# Altium PCB RTM_4SFP_3QSFP.PcbDoc (part 1 of 4)
Units mil, origin at the board's own origin, x right, y up, seen from the top; angles counter-clockwise.
Board outline 7187 x 5848.5 mil, 4 copper layers (L1, P2, P3, L4), stack 62.205 mil thick; 276 components, 257 nets, 1307 pads, 528 vias.
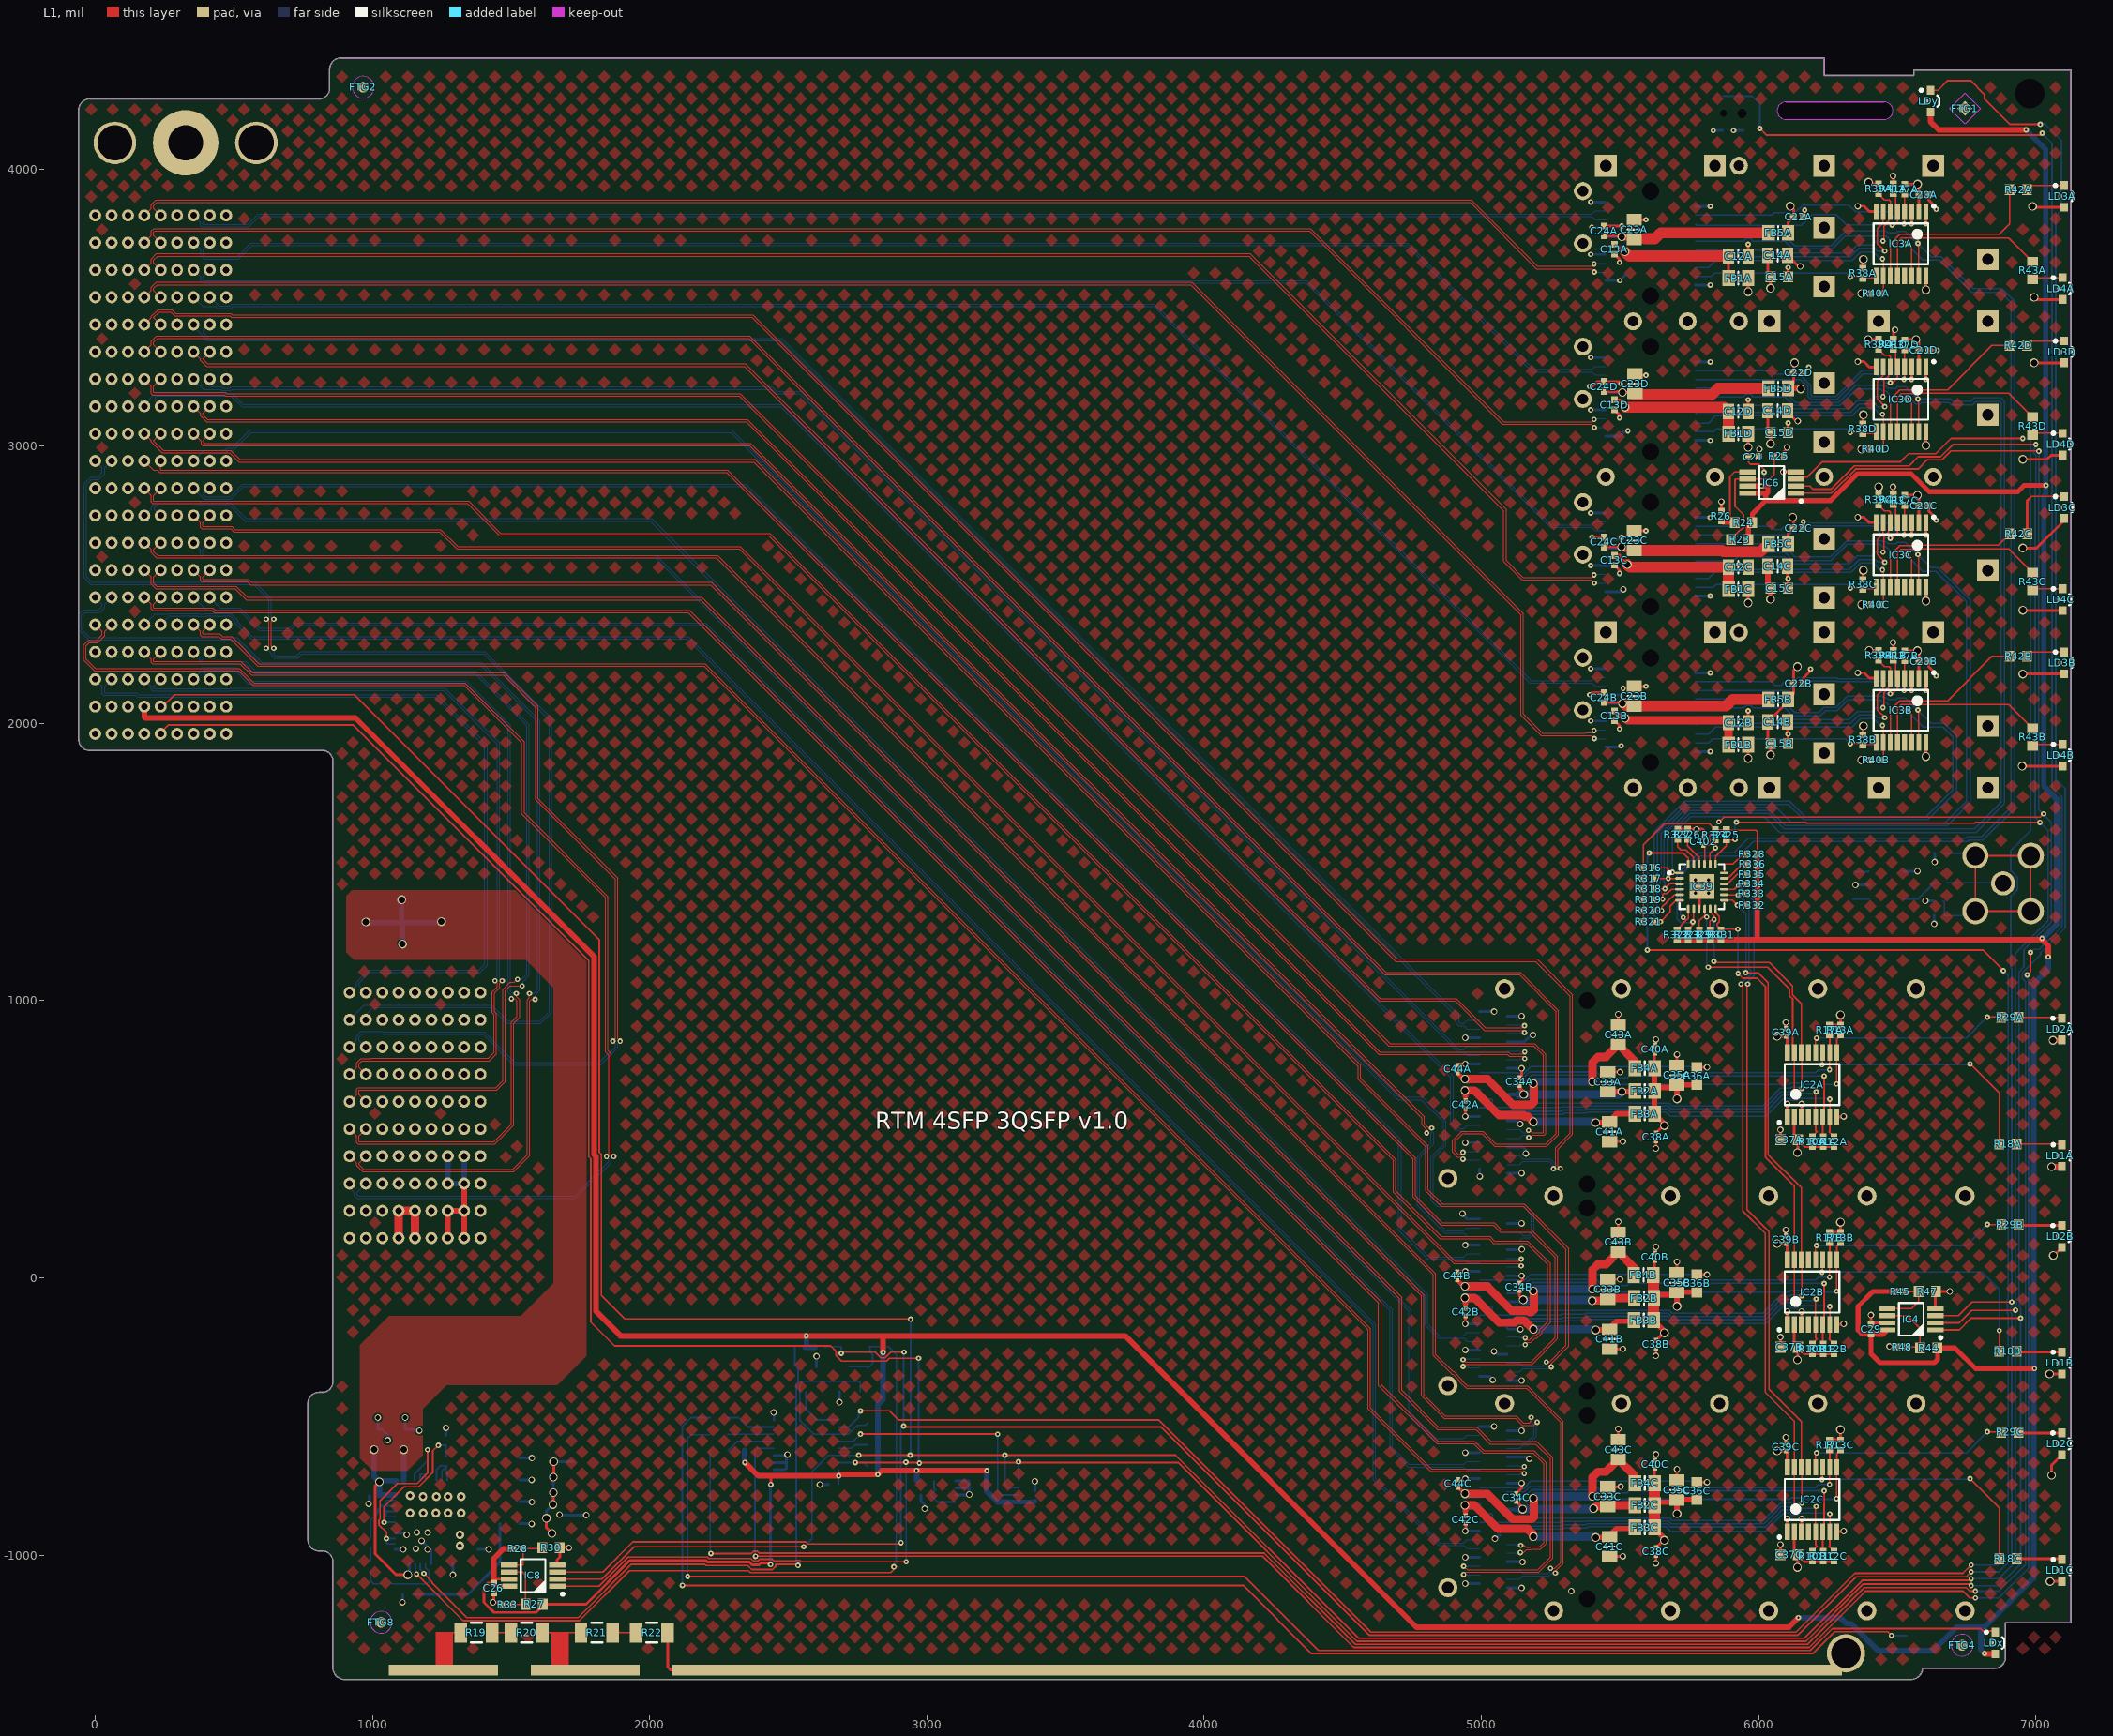
[diagram p0: L1 view]
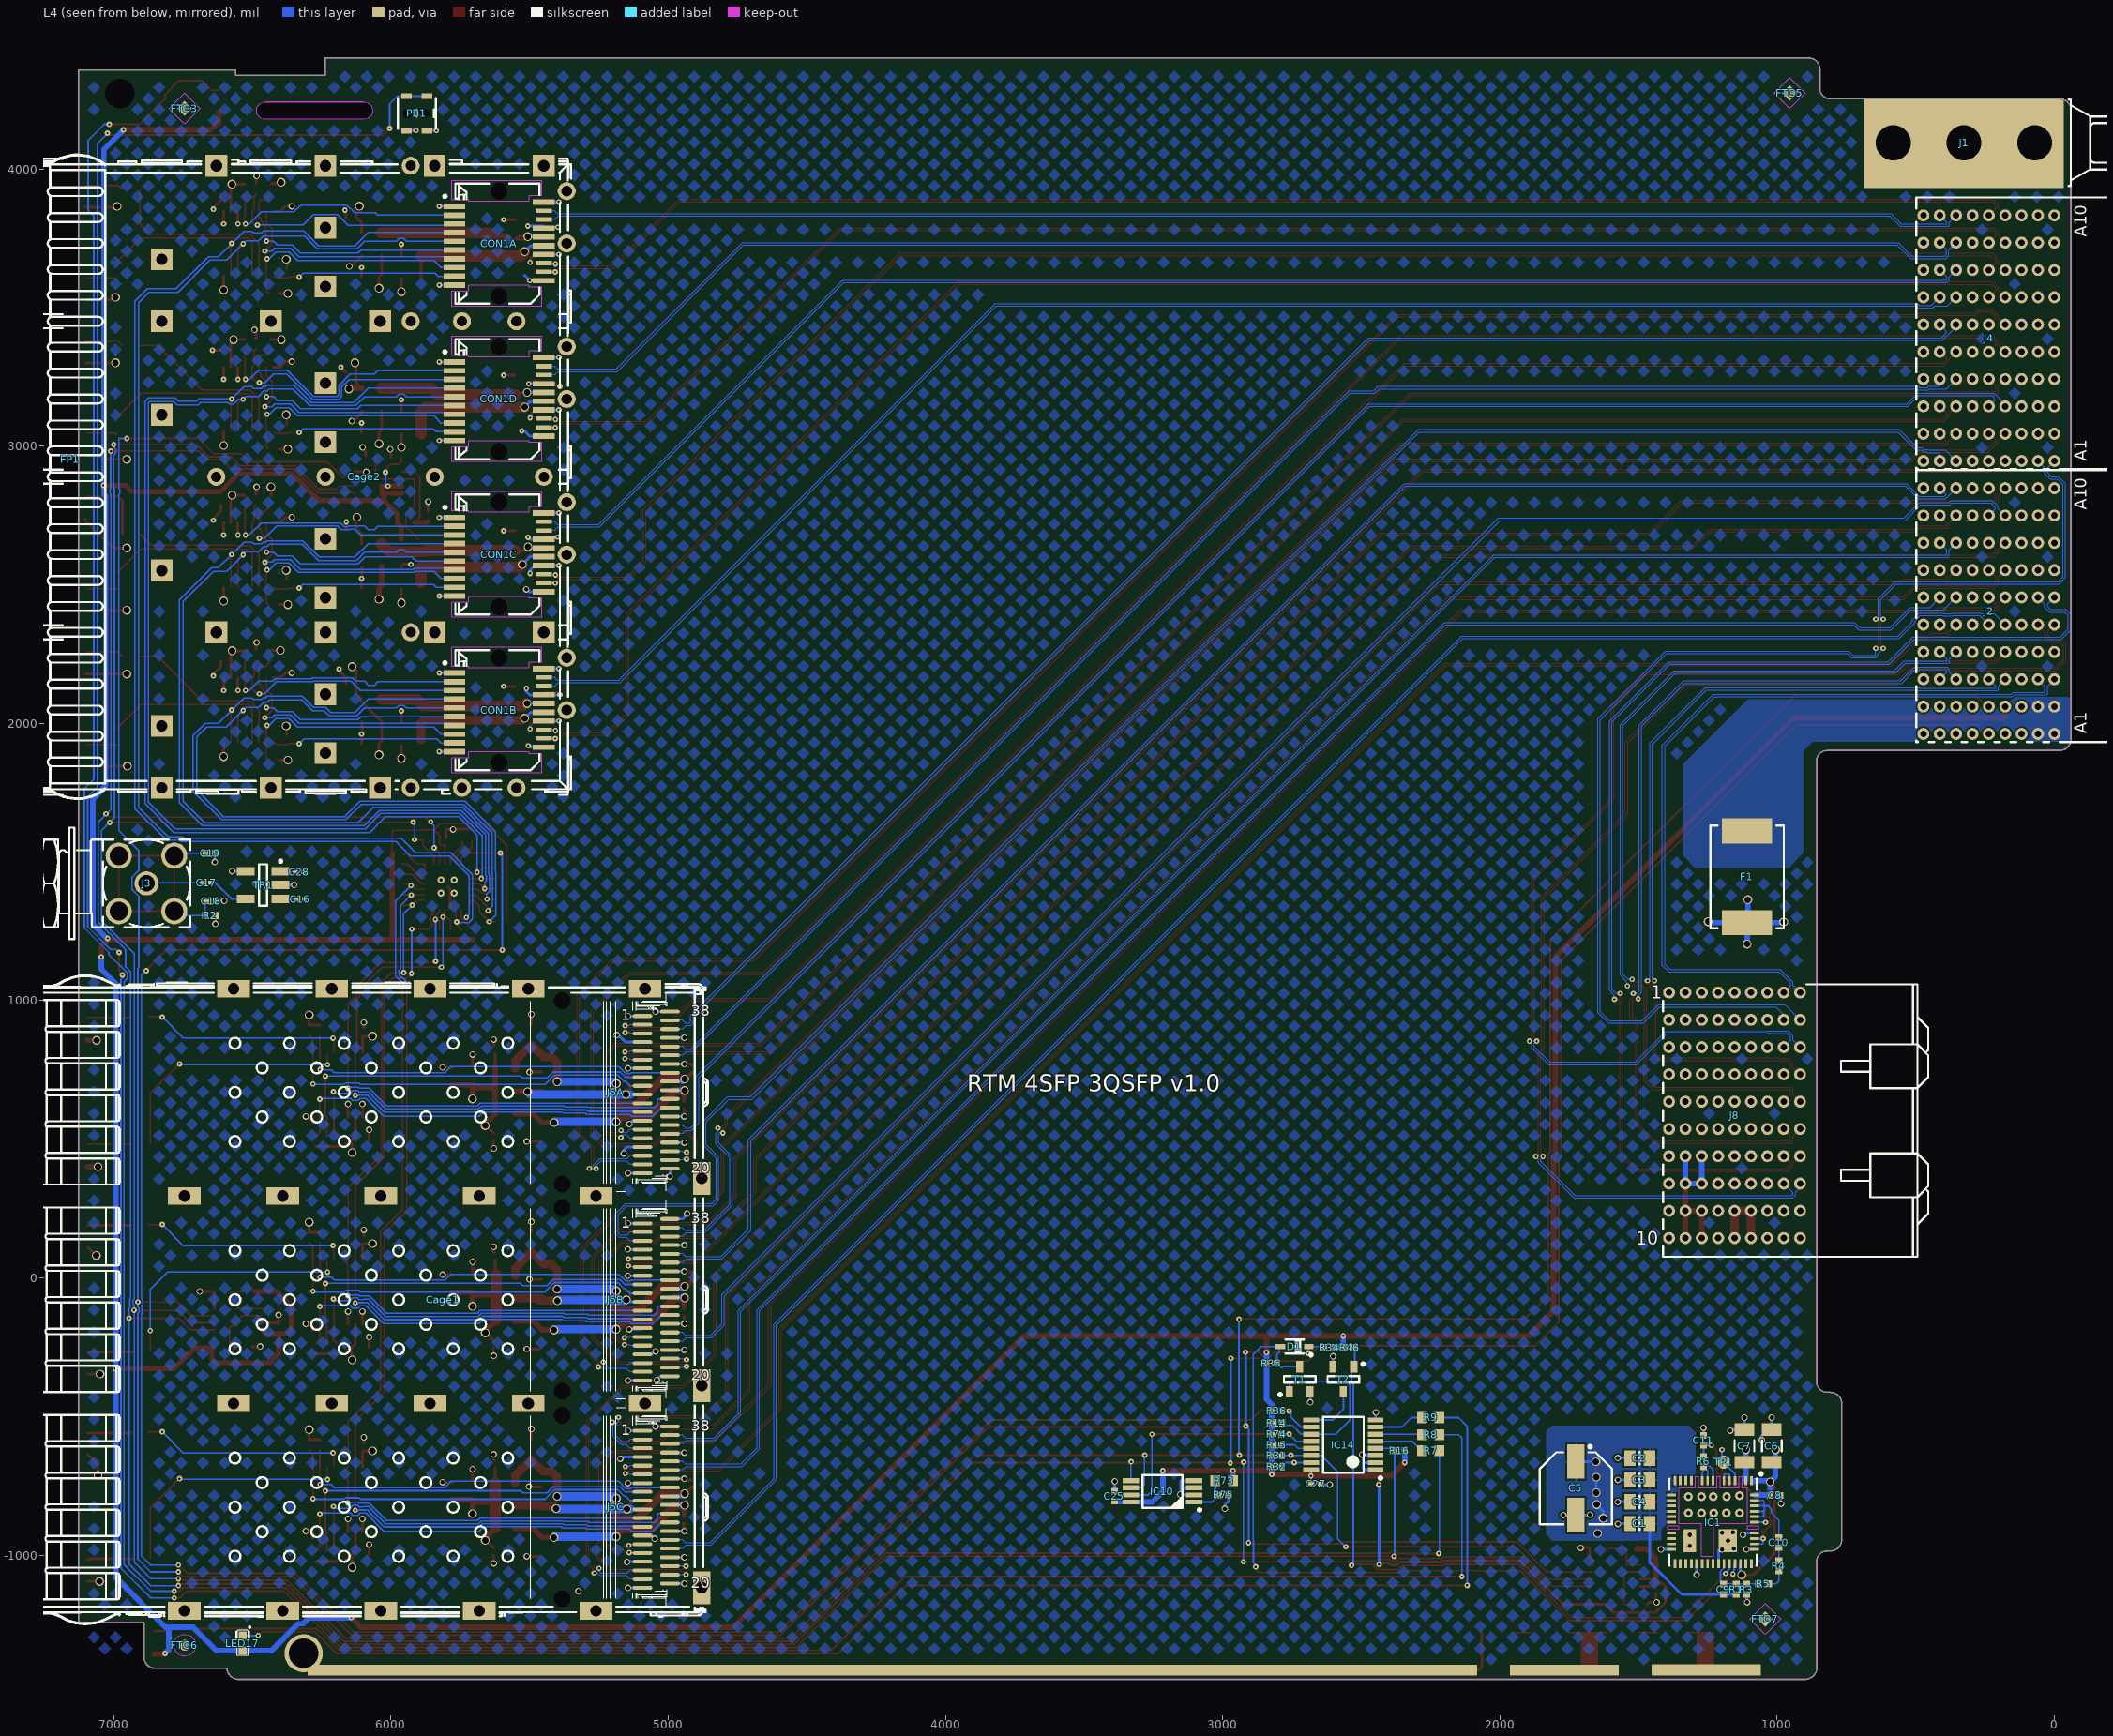
[diagram p1: L4 view, seen from below]
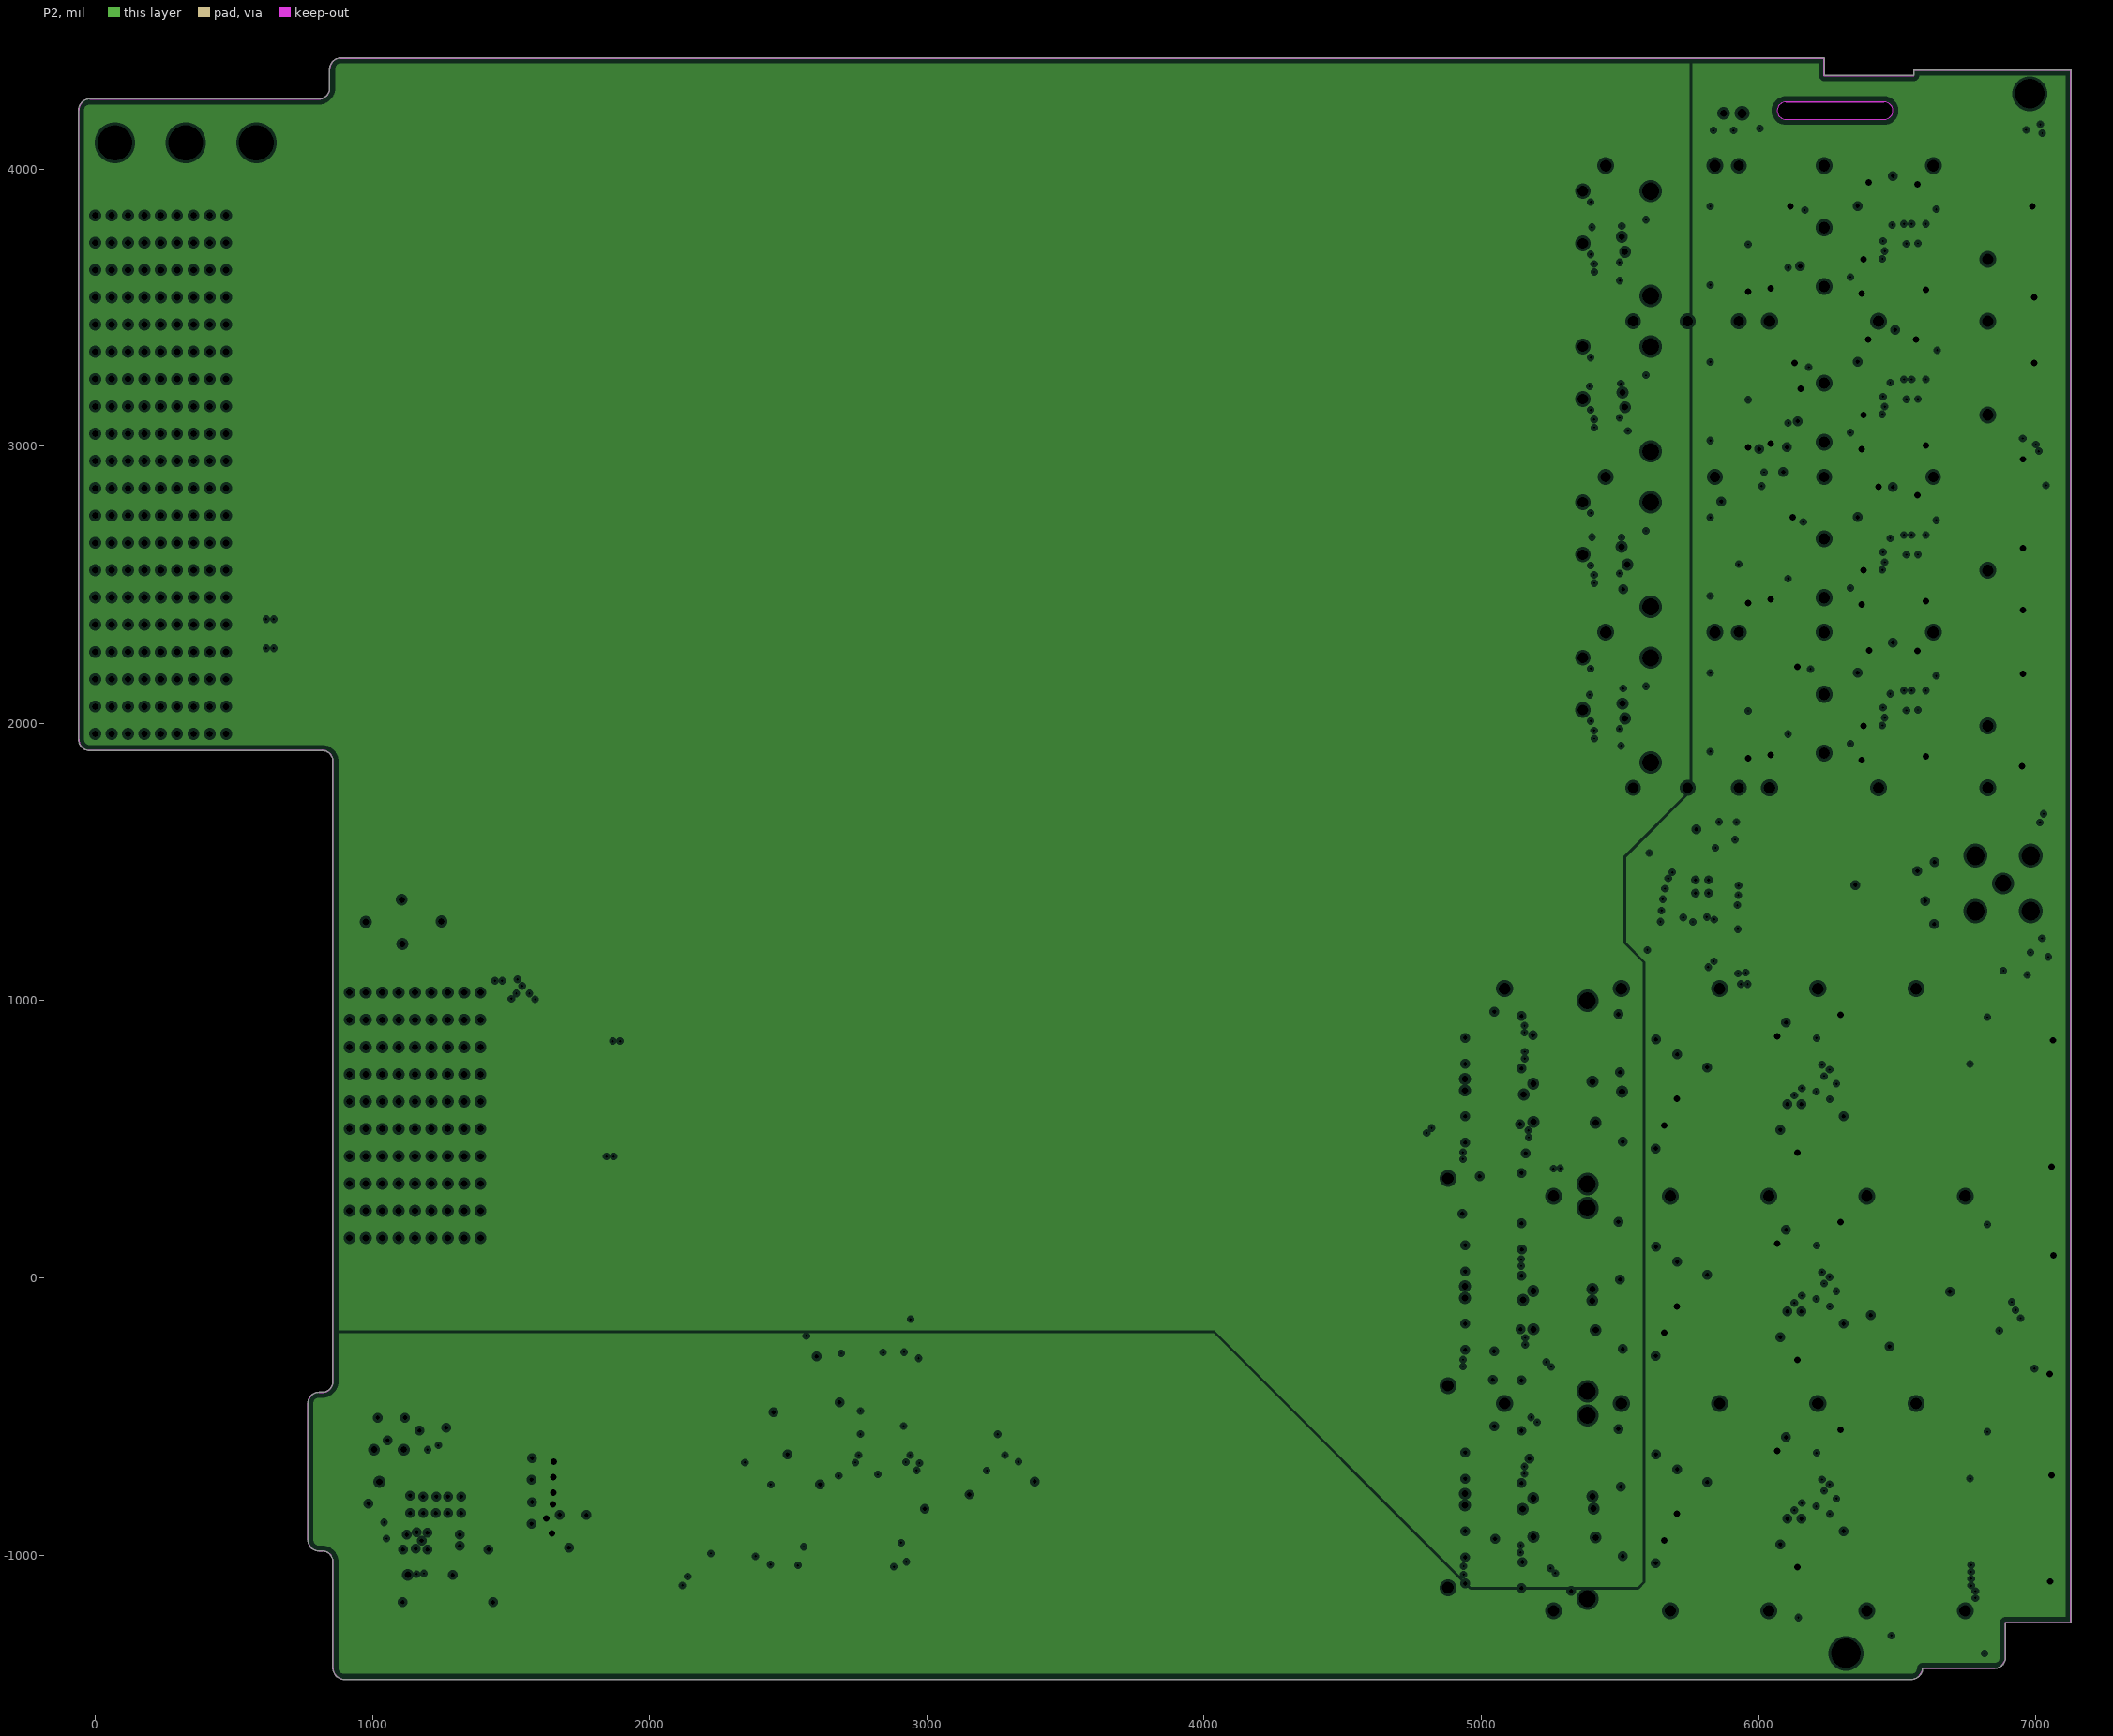
[diagram p2: P2, clearances drawn from the general rule]